# Altium PCB FPV0-3.PcbDoc (part 5 of 6)
Units mm, origin at the board's own origin, x right, y up, seen from the top; angles counter-clockwise.
Board outline 81.28 x 53.34 mm, 4 copper layers (Top Layer, GND Plane 1, 3v3 Plane 2, Bottom Layer); 180 components, 250 nets, 840 pads, 218 vias.
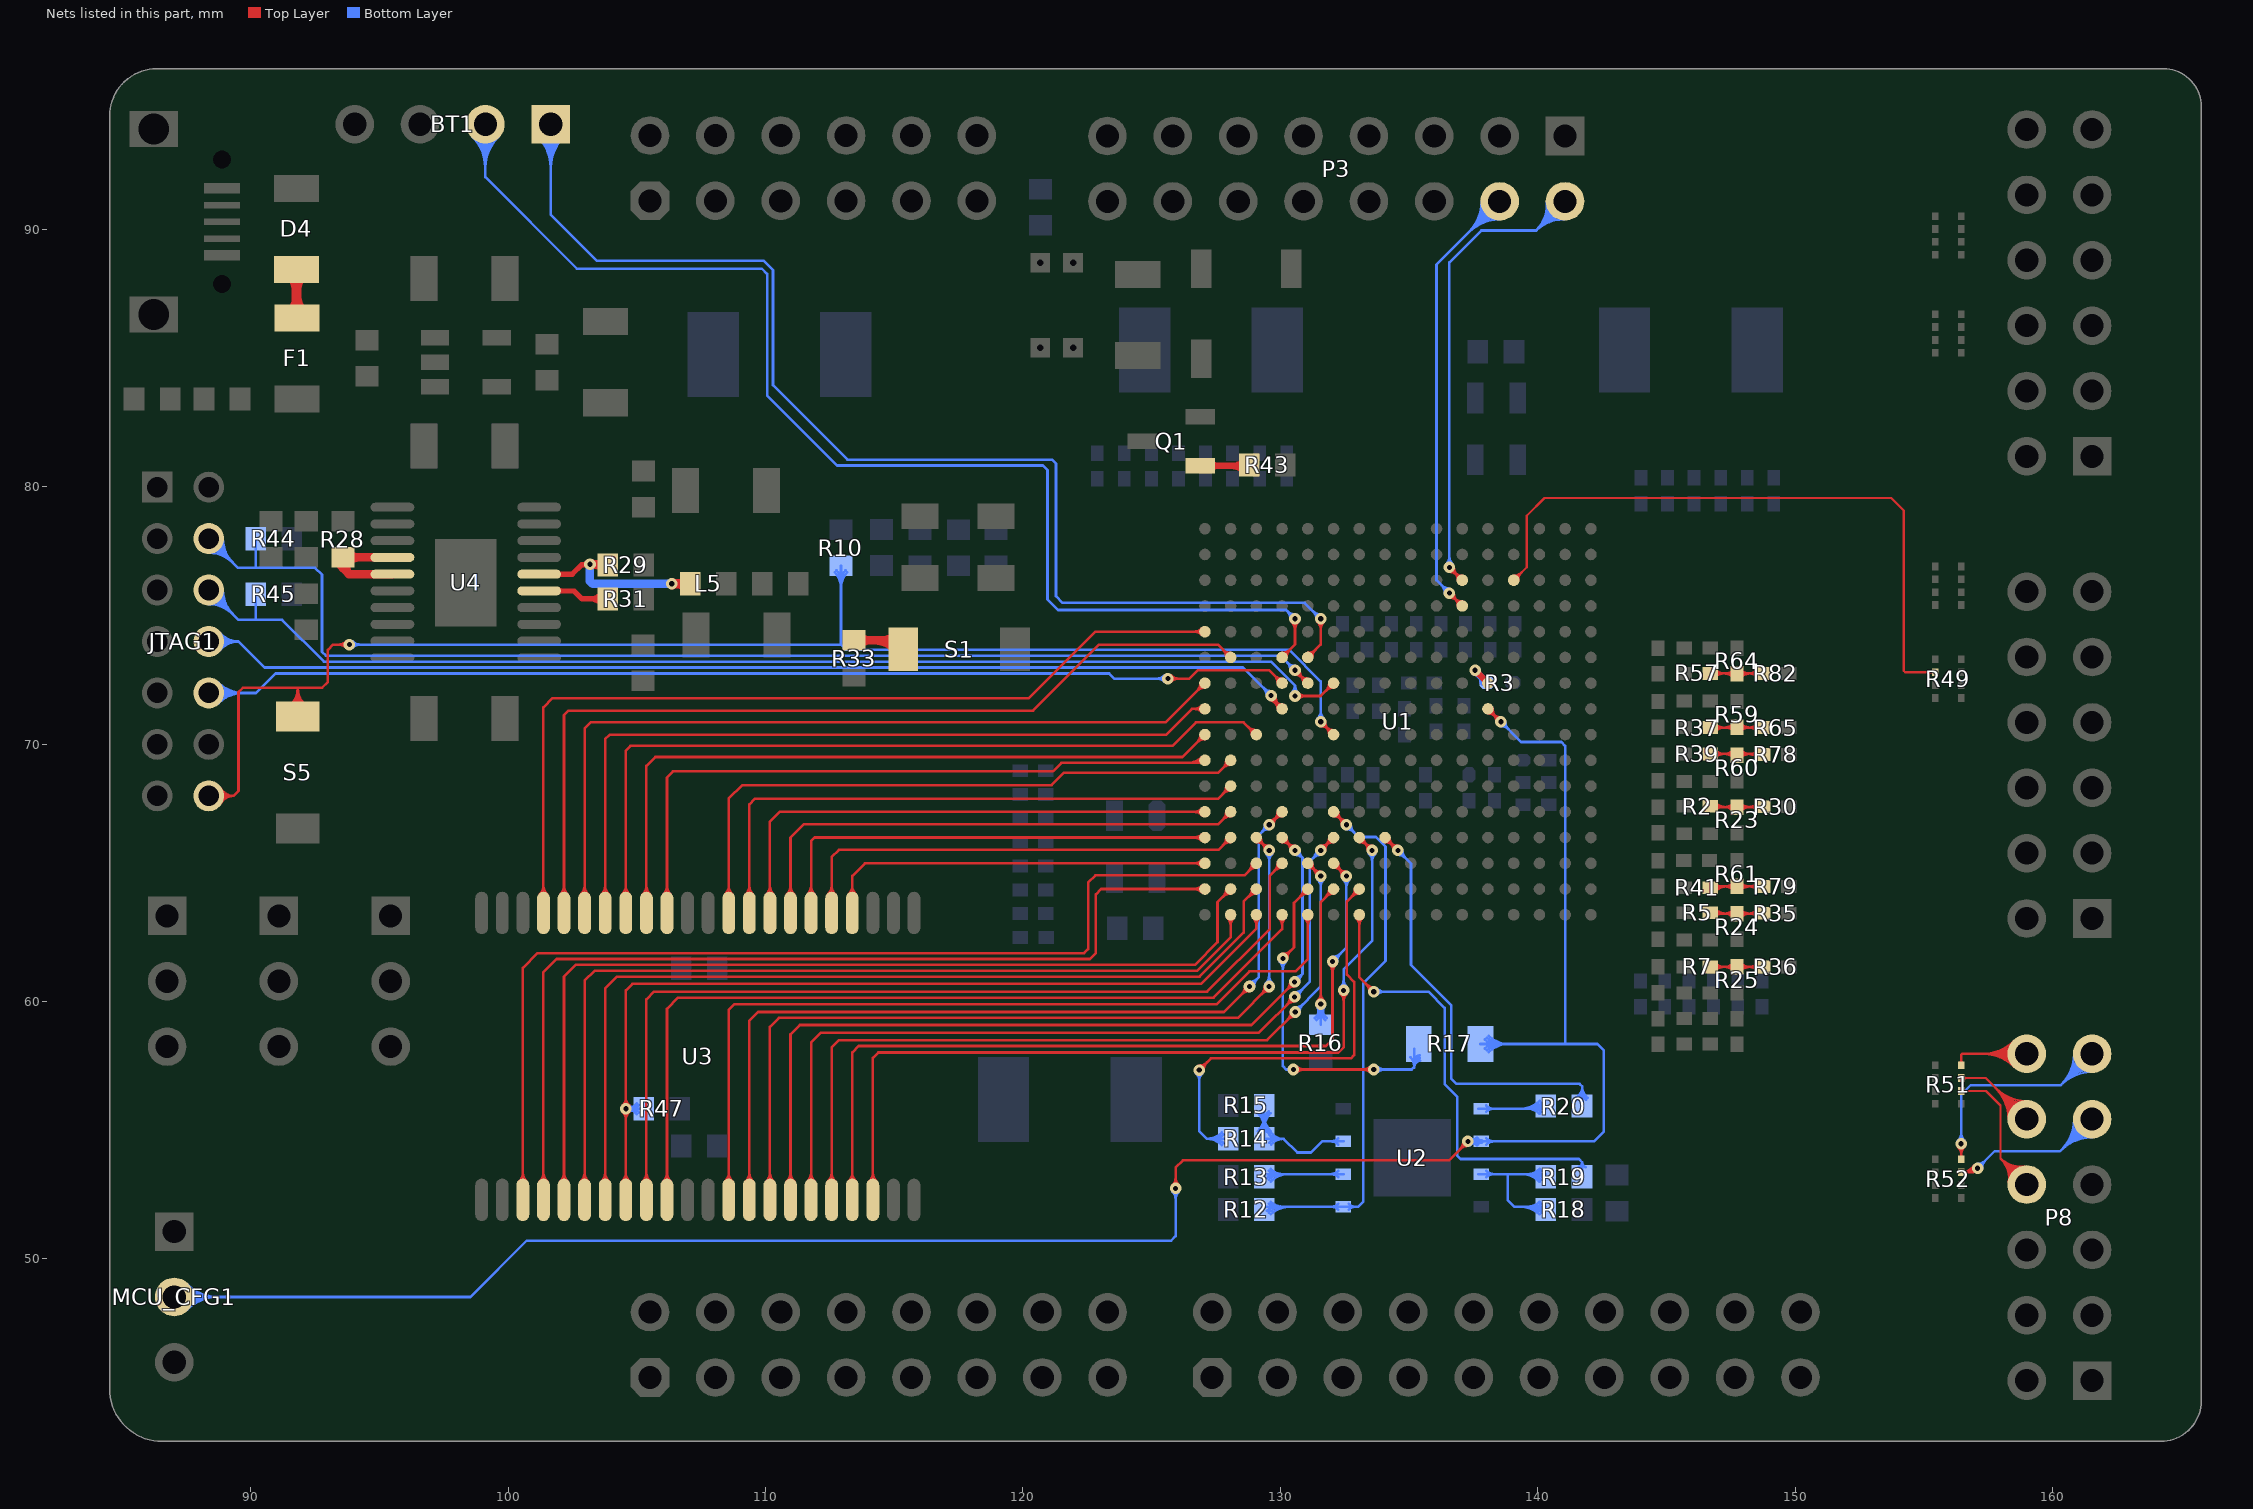
[diagram p7: the nets of this part, all layers, seen from the top]

## Via types
v1: diameter 0.45, hole 0.2, Top Layer to Bottom Layer, tented both sides, 151 vias
v2: diameter 0.55, hole 0.3, Top Layer to Bottom Layer, tented both sides, 55 vias
v3: diameter 0.45, hole 0.2, Top Layer to Bottom Layer, 6 vias
v4: diameter 0.666, hole 0.4, Top Layer to Bottom Layer, tented both sides, 4 vias
v5: diameter 0.55, hole 0.23, Top Layer to Bottom Layer, tented both sides, 1 vias
v6: diameter 0.513, hole 0.3, Top Layer to Bottom Layer, tented both sides, 1 vias

## Nets (pads, with @x,y where several pads share a name; then routed paths per layer and width w, separated by ;. In a path a pad name is that pad's centre, name@x,y a point inside that pad or via, vN(x,y) a via of type N, cw(c..) or ccw(c..) an arc to the next point about the centre after c; other vN are vias at no path point) (continued)
NetP8_8: P8.8 R51.3 | length 12.1
  Top Layer w0.089: R51.3@156.456,56.519 157.425,56.519 157.988,55.956 157.988,53.899 ; R51.3@156.513,56.462 cw(c156.65,56.325) 156.65,56.519 cw(c156.65,56.713) R51.3@156.513,56.576 ; P8.8@158.304,52.973 ccw(c157.203,53.114) 157.988,53.899 ; P8.8@158.392,52.961 ccw(c157.43,53.085) 158.116,53.771 ccw(c158.802,54.457) P8.8@158.926,53.494 ; P8.8@158.481,52.95 ccw(c157.657,53.056) 158.244,53.643 ccw(c158.831,54.23) P8.8@158.937,53.406 ; P8.8@158.569,52.939 ccw(c157.884,53.026) 158.372,53.515 ccw(c158.86,54.003) P8.8@158.948,53.318 ; P8.8@158.914,53.583 cw(c158.773,54.684) 157.988,53.899 ; P8.8@159.004,52.883 157.988,53.899
NetP8_9: P8.9 R52.5 | length 18.3
  Top Layer w0.089: R52.5@156.513,53.304 cw(c156.65,53.167) 156.65,53.361 cw(c156.65,53.556) R52.5@156.513,53.418 ; 156.625,53.361 ccw(c156.625,53.84) v1@157.019,53.57 ; 156.793,53.361 ccw(c156.793,53.724) v1@157.093,53.519 ; v1@156.946,53.62 cw(c156.456,53.955) R52.5@156.456,53.361 156.939,53.361 v1(157.095,53.518)
  Bottom Layer w0.089: v1(157.095,53.518) 157.755,54.178 160.299,54.178 P8.9@161.544,55.423 ; v1@157.095,53.698 ccw(c157.095,54.134) 157.403,53.826 ccw(c157.711,53.518) v1@157.276,53.518 ; P8.9@160.838,55.423 cw(c159.135,55.423) 160.34,54.218 cw(c161.544,53.014) P8.9@161.544,54.717 ; P8.9@160.927,55.423 cw(c159.439,55.423) 160.491,54.37 cw(c161.544,53.317) P8.9@161.544,54.806 ; P8.9@161.016,55.423 cw(c159.742,55.423) 160.643,54.522 cw(c161.544,53.621) P8.9@161.544,54.895 ; P8.9@161.105,55.423 cw(c160.046,55.423) 160.795,54.674 cw(c161.544,53.924) P8.9@161.544,54.984 ; P8.9@161.194,55.423 cw(c160.349,55.423) 160.947,54.825 cw(c161.544,54.228) P8.9@161.544,55.073
NetP8_10: P8.10 R51.5 | length 13.5
  Top Layer w0.089: R51.5@156.456,57.019 157.408,57.019 P8.10@159.004,55.423 ; R51.5@156.513,56.962 cw(c156.65,56.825) 156.65,57.019 cw(c156.65,57.213) R51.5@156.513,57.076 ; P8.10@158.298,55.423 ccw(c156.595,55.423) 157.8,56.627 ccw(c159.004,57.832) P8.10@159.004,56.128 ; P8.10@158.387,55.423 ccw(c156.899,55.423) 157.951,56.475 ccw(c159.004,57.528) P8.10@159.004,56.039 ; P8.10@158.476,55.423 ccw(c157.202,55.423) 158.103,56.324 ccw(c159.004,57.225) P8.10@159.004,55.951 ; P8.10@158.565,55.423 ccw(c157.506,55.423) 158.255,56.172 ccw(c159.004,56.921) P8.10@159.004,55.862 ; P8.10@158.654,55.423 ccw(c157.809,55.423) 158.407,56.02 ccw(c159.004,56.618) P8.10@159.004,55.773
NetP8_11: P8.11 R52.7 | length 19.9
  Top Layer w0.089: v1@156.328,54.338 cw(c156.02,54.03) 156.456,54.03 cw(c156.892,54.03) v1@156.584,54.338 ; R52.7@156.399,53.943 ccw(c156.262,54.081) 156.456,54.081 ccw(c156.65,54.081) R52.7@156.513,53.943 ; R52.7@156.456,53.861 v1(156.456,54.466)
  Bottom Layer w0.089: v1@156.328,54.593 ccw(c156.02,54.901) 156.456,54.901 ccw(c156.892,54.901) v1@156.584,54.593 ; v1(156.456,54.466) 156.456,56.38 156.82,56.744 160.325,56.744 P8.11@161.544,57.963 ; P8.11@160.838,57.963 cw(c159.135,57.963) 160.34,56.758 cw(c161.544,55.554) P8.11@161.544,57.257 ; P8.11@160.927,57.963 cw(c159.439,57.963) 160.491,56.91 cw(c161.544,55.857) P8.11@161.544,57.346 ; P8.11@161.016,57.963 cw(c159.742,57.963) 160.643,57.062 cw(c161.544,56.161) P8.11@161.544,57.435 ; P8.11@161.105,57.963 cw(c160.046,57.963) 160.795,57.214 cw(c161.544,56.464) P8.11@161.544,57.524 ; P8.11@161.194,57.963 cw(c160.349,57.963) 160.947,57.365 cw(c161.544,56.768) P8.11@161.544,57.613
NetP8_12: P8.12 R51.7 | length 13.3
  Top Layer w0.089: R51.7@156.399,57.601 ccw(c156.262,57.738) 156.456,57.738 ccw(c156.65,57.738) R51.7@156.513,57.601 ; R51.7@156.456,57.519 156.456,57.929 156.489,57.963 P8.12@159.004,57.963 ; P8.12@158.505,57.464 ccw(c157.301,56.259) 157.301,57.963 ccw(c157.301,59.666) P8.12@158.505,58.462 ; P8.12@158.568,57.527 ccw(c157.515,56.474) 157.515,57.963 ccw(c157.515,59.452) P8.12@158.568,58.399 ; P8.12@158.631,57.59 ccw(c157.73,56.689) 157.73,57.963 ccw(c157.73,59.237) P8.12@158.631,58.336 ; P8.12@158.694,57.652 ccw(c157.945,56.903) 157.945,57.963 ccw(c157.945,59.022) P8.12@158.694,58.273 ; P8.12@158.757,57.715 ccw(c158.159,57.118) 158.159,57.963 ccw(c158.159,58.808) P8.12@158.757,58.21
NetQ1_2: Q1.3 R43.1 | length 3.6
  Top Layer w0.254: Q1.3@126.88,80.813 R43.1@128.754,80.813 ; Q1.3@127.278,80.69 cw(c127.573,80.395) 127.573,80.813 cw(c127.573,81.23) Q1.3@127.278,80.935 ; 128.095,80.813 cw(c128.095,80.104) R43.1@128.596,80.605 ; 128.165,80.813 ccw(c128.165,81.423) R43.1@128.596,80.991
NetR2_2: R2.2 R23.2 R30.2 | length 5.5
  Top Layer w0.102: R2.2@146.736,67.548 R23.2@147.752,67.548 R30.2@148.75,67.548 ; R2.2@146.821,67.65 ccw(c147.069,67.898) 147.069,67.548 ; R2.2@146.893,67.441 cw(c147.153,67.181) 147.153,67.548 ; R2.2@146.893,67.722 ccw(c147.314,68.143) 147.314,67.548 ; R23.2@147.611,67.407 ccw(c147.271,67.067) 147.271,67.548 ccw(c147.271,68.029) R23.2@147.611,67.689 ; R23.2@147.893,67.407 cw(c148.233,67.067) 148.233,67.548 cw(c148.233,68.029) R23.2@147.893,67.689 ; 148.181,67.548 ccw(c148.181,68.084) R30.2@148.56,67.705 ; 148.258,67.548 cw(c148.258,67.122) R30.2@148.56,67.423 ; 148.426,67.548 ccw(c148.426,67.838) R30.2@148.631,67.633
NetR3_2: R3.2 U1.E7 | length 3
  Top Layer w0.254: v1@137.569,72.768 cw(c137.569,72.531) 137.736,72.699 cw(c137.904,72.866) v1@137.667,72.866 ; v1(137.569,72.866) U1.E7@138.069,72.366 ; U1.E7@137.971,72.366 ccw(c137.735,72.366) 137.902,72.533 ccw(c138.069,72.701) U1.E7@138.069,72.464
  Bottom Layer w0.254: v1@137.544,72.771 cw(c137.434,72.363) R3.2@137.8,72.574 ; v1(137.569,72.866) 137.569,72.853 R3.2@138.032,72.39 ; v1@137.667,72.866 ccw(c137.936,72.866) 137.746,72.676 ; 137.736,72.685 cw(c137.441,72.39) R3.2@137.859,72.39
NetR5_2: R5.2 R24.2 R35.2 | length 5.5
  Top Layer w0.102: R5.2@146.739,63.409 R24.2@147.752,63.409 R35.2@148.75,63.409 ; R5.2@146.821,63.515 ccw(c147.077,63.771) 147.077,63.409 ; R5.2@146.893,63.305 cw(c147.145,63.054) 147.145,63.409 ; R5.2@146.893,63.587 ccw(c147.322,64.016) 147.322,63.409 ; R24.2@147.611,63.269 ccw(c147.271,62.929) 147.271,63.409 ccw(c147.271,63.89) R24.2@147.611,63.55 ; R24.2@147.893,63.269 cw(c148.233,62.929) 148.233,63.409 cw(c148.233,63.89) R24.2@147.893,63.55 ; 148.185,63.409 ccw(c148.185,63.939) R35.2@148.56,63.565 ; 148.254,63.409 cw(c148.254,62.978) R35.2@148.56,63.283 ; 148.43,63.409 ccw(c148.43,63.694) R35.2@148.631,63.493
NetR7_2: R7.2 R25.2 R36.2 | length 5.1
  Top Layer w0.102: R7.2@146.702,61.341 R25.2@147.752,61.341 R36.2@148.742,61.341 ; R7.2@146.893,61.2 cw(c147.233,60.86) 147.233,61.341 cw(c147.233,61.822) R7.2@146.893,61.482 ; R25.2@147.611,61.2 ccw(c147.271,60.86) 147.271,61.341 ccw(c147.271,61.822) R25.2@147.611,61.482 ; R25.2@147.893,61.2 cw(c148.233,60.86) 148.233,61.341 cw(c148.233,61.822) R25.2@147.893,61.482 ; R36.2@148.56,61.2 ccw(c148.219,60.86) 148.219,61.341 ccw(c148.219,61.822) R36.2@148.56,61.482
NetR13_1: R13.1 U2.2 | length 6.4
  Bottom Layer w0.102: R13.1@129.376,53.289 U2.2@132.453,53.289 ; R13.1@129.48,53.134 cw(c129.853,52.761) 129.853,53.289 ; R13.1@129.551,53.063 cw(c130.099,52.515) 130.099,53.289 ; R13.1@129.551,53.413 ccw(c129.85,53.711) 129.85,53.289 ; R13.1@129.623,52.991 cw(c130.344,52.27) 130.344,53.289 ; R13.1@129.623,53.485 ccw(c130.095,53.956) 130.095,53.289 ; 131.957,53.289 cw(c131.957,52.869) U2.2@132.255,53.166 ; 131.957,53.289 ccw(c131.957,53.71) U2.2@132.255,53.412
NetR14_1: R14.1 R15.2 U2.3 | length 13.4
  Bottom Layer w0.102: R14.1@129.129,54.958 ccw(c128.533,55.554) 129.376,55.554 ccw(c130.219,55.554) R14.1@129.623,54.958 ; R15.2@129.129,55.659 cw(c128.533,55.063) 129.376,55.063 cw(c130.219,55.063) R15.2@129.623,55.659 ; R14.1@129.201,54.886 ccw(c128.779,55.309) 129.376,55.309 ; R15.2@129.201,55.731 cw(c128.779,55.308) 129.376,55.308 ; R14.1@129.228,55.027 ccw(c129.144,55.206) 129.337,55.247 ccw(c129.634,55.31) R14.1@129.514,55.032 ; R14.1@129.239,55.032 ccw(c129.119,55.31) 129.416,55.247 ccw(c129.609,55.206) R14.1@129.525,55.027 ; R14.1@129.271,54.935 ccw(c129.2,55.087) 129.364,55.122 ; R15.2@129.376,55.956 R14.1@129.376,54.661 130.124,54.661 ; 129.389,55.122 ccw(c129.553,55.087) R14.1@129.482,54.935 ; R14.1@129.551,54.886 cw(c129.974,55.309) 129.376,55.309 ; R15.2@129.551,55.731 ccw(c129.974,55.308) 129.376,55.308 ; R14.1@129.566,54.502 cw(c129.907,54.217) 129.907,54.661 cw(c129.907,55.105) R14.1@129.566,54.82 ; R14.1@129.644,54.437 cw(c130.124,54.035) 130.124,54.661 ; R14.1@129.644,54.885 ccw(c130.124,55.287) 130.124,54.661 ; U2.3@132.255,54.436 ccw(c131.957,54.139) 131.957,54.559 ccw(c131.957,54.98) U2.3@132.255,54.682 ; U2.3@132.453,54.559 131.623,54.559 131.191,54.127 130.658,54.127 130.124,54.661
NetR16_2: R16.2 U1.L15 | length 10.7
  Top Layer w0.102: v1@131.449,60.016 ccw(c131.151,60.314) 131.572,60.314 ccw(c131.993,60.314) v1@131.695,60.016 ; v1(131.572,59.893) 131.572,63.869 U1.L15@132.069,64.366 ; U1.L15@131.895,64.366 cw(c131.474,64.366) 131.772,64.069 cw(c132.069,63.771) U1.L15@132.069,64.192
  Bottom Layer w0.102: R16.2@131.335,59.351 ccw(c130.834,59.893) v1(131.572,59.893) ; R16.2@131.404,59.276 ccw(c131.048,59.661) 131.572,59.661 ccw(c132.096,59.661) R16.2@131.74,59.276 ; v1@131.428,59.796 cw(c131.152,59.61) 131.473,59.524 cw(c131.794,59.438) v1@131.648,59.737 ; v1@131.449,59.77 cw(c131.151,59.473) 131.572,59.473 cw(c131.993,59.473) v1@131.695,59.77 ; v1@131.496,59.737 cw(c131.35,59.438) 131.671,59.524 cw(c131.992,59.61) v1@131.716,59.796 ; R16.2@131.572,59.095 v1(131.572,59.893) ; R16.2@131.809,59.351 cw(c132.31,59.893) v1(131.572,59.893)
NetR17_2: R17.2 U1.M15 | length 19
  Top Layer w0.102: v1(130.099,61.671) 130.531,62.103 130.531,63.827 U1.M15@131.069,64.366 ; v1@130.099,61.845 ccw(c130.099,62.266) 130.396,61.969 ccw(c130.694,61.671) v1@130.273,61.671 ; v1(130.505,57.353) v1(133.629,57.353) ; v1@130.628,57.23 cw(c130.926,56.933) 130.926,57.353 cw(c130.926,57.774) v1@130.628,57.476 ; U1.M15@130.895,64.366 cw(c130.474,64.366) 130.772,64.069 cw(c131.069,63.771) U1.M15@131.069,64.192 ; v1@133.506,57.23 ccw(c133.209,56.933) 133.209,57.353 ccw(c133.209,57.774) v1@133.506,57.476
  Bottom Layer w0.102: v1@129.976,61.548 cw(c129.678,61.251) 130.099,61.251 cw(c130.519,61.251) v1@130.222,61.548 ; v1(130.099,61.671) 130.099,57.48 130.226,57.353 ; v1@130.349,57.277 ccw(c130.226,57.216) 130.226,57.353 ; v1@130.349,57.43 cw(c130.226,57.49) 130.226,57.353 ; v1(130.505,57.353) 130.226,57.353 ; v1(133.629,57.353) 135.103,57.353 135.198,57.449 R17.2@135.198,58.166 ; v1@133.753,57.23 cw(c134.05,56.933) 134.05,57.353 cw(c134.05,57.774) v1@133.753,57.476 ; R17.2@135.058,57.826 cw(c134.721,57.489) 135.198,57.489 ; 135.198,57.426 cw(c135.473,57.426) R17.2@135.436,57.699 ; 135.198,57.543 cw(c135.457,57.543) R17.2@135.422,57.799 ; R17.2@135.198,57.659 cw(c135.441,57.659) R17.2@135.409,57.9
NetR18_2: R18.2 R19.2 U2.7 | length 11.2
  Bottom Layer w0.102: U2.7@137.701,53.289 U2.7@137.803,53.289 138.836,53.289 ; U2.7@138.001,53.166 cw(c138.299,52.869) 138.299,53.289 cw(c138.299,53.71) U2.7@138.001,53.412 ; 139.353,52.019 cw(c139.353,51) R18.2@140.074,51.721 ; 139.353,53.289 cw(c139.353,52.27) R19.2@140.074,52.991 ; 139.598,52.019 cw(c139.598,51.245) R18.2@140.146,51.793 ; 139.598,53.289 cw(c139.598,52.515) R19.2@140.146,53.063 ; 139.602,52.019 ccw(c139.602,52.686) R18.2@140.074,52.215 ; 139.602,53.289 ccw(c139.602,53.956) R19.2@140.074,53.485 ; 139.844,52.019 cw(c139.844,51.491) R18.2@140.218,51.864 ; 139.844,53.289 cw(c139.844,52.761) R19.2@140.218,53.134 ; 139.848,52.019 ccw(c139.848,52.441) R18.2@140.146,52.143 ; 139.848,53.289 ccw(c139.848,53.711) R19.2@140.146,53.413 ; R18.2@140.321,52.019 139.09,52.019 138.836,52.273 138.836,53.289 ; R19.2@140.321,53.289 138.836,53.289
NetR20_2: R20.2 U2.5 | length 6
  Bottom Layer w0.102: U2.5@137.701,55.829 U2.5@137.803,55.829 R20.2@140.335,55.829 ; U2.5@138.001,55.706 cw(c138.299,55.409) 138.299,55.829 cw(c138.299,56.25) U2.5@138.001,55.952 ; 139.353,55.829 ccw(c139.353,56.848) R20.2@140.074,56.128 ; 139.598,55.829 ccw(c139.598,56.603) R20.2@140.146,56.056 ; 139.602,55.829 cw(c139.602,55.162) R20.2@140.074,55.634 ; 139.844,55.829 ccw(c139.844,56.358) R20.2@140.218,55.984 ; 139.848,55.829 cw(c139.848,55.408) R20.2@140.146,55.706
NetR28_1: R28.1 U4.4 U4.5 | length 6.8
  Top Layer w0.33: R28.1@93.452,77.052 cw(c93.32,76.835) 93.574,76.835 ; R28.1@93.553,77.317 ccw(c93.805,77.086) 93.564,76.845 ; R28.1@93.574,77.253 93.574,76.835 ; R28.1@93.575,77.251 U4.4@95.499,77.251 ; R28.1@93.696,77.052 ccw(c93.827,76.835) 93.574,76.835 ; R28.1@93.79,77.087 cw(c94.187,76.689) 94.187,77.251 ; R28.1@93.79,77.419 ccw(c94.194,77.823) 94.194,77.251 ; R28.1@93.797,77.094 ccw(c94.059,76.853) 93.807,76.601 ; U4.5@95.499,76.601 93.807,76.601 ; 93.574,76.835 93.807,76.601
NetR31_2: R31.2 U4.15 | length 4.2
  Top Layer w0.203: U4.15@101.199,75.951 102.56,75.951 102.87,75.641 R31.2@103.872,75.641 ; U4.15@101.926,75.899 cw(c102.051,75.774) 102.051,75.951 cw(c102.051,76.128) U4.15@101.926,76.003 ; R31.2@103.661,75.43 ccw(c103.151,74.921) 103.151,75.641 ccw(c103.151,76.362) R31.2@103.661,75.852
NetR33_2: R33.2 S1.2 | length 4
  Top Layer w0.33: R33.2@113.436,74.03 S1.2@114.997,74.03 ; R33.2@113.652,73.864 cw(c114.053,73.463) 114.053,74.03 cw(c114.053,74.597) R33.2@113.652,74.196 ; 114.184,74.03 cw(c114.184,72.803) S1.2@115.052,73.671 ; 114.519,74.03 ccw(c114.519,74.782) S1.2@115.052,74.25
NetR37_2: R37.2 R59.2 R65.2 | length 5.5
  Top Layer w0.102: R37.2@146.702,70.637 R65.2@148.75,70.637 ; R37.2@146.893,70.497 cw(c147.233,70.156) 147.233,70.637 cw(c147.233,71.118) R37.2@146.893,70.778 ; 147.236,70.637 ccw(c147.236,71.167) R59.2@147.611,70.793 ; 147.306,70.637 cw(c147.306,70.205) R59.2@147.611,70.511 ; 147.482,70.637 ccw(c147.482,70.922) R59.2@147.683,70.721 ; R59.2@147.821,70.721 ccw(c148.022,70.922) 148.022,70.637 ; R59.2@147.893,70.511 cw(c148.198,70.205) 148.198,70.637 ; R59.2@147.893,70.793 ccw(c148.267,71.167) 148.267,70.637 ; R65.2@148.56,70.497 ccw(c148.219,70.156) 148.219,70.637 ccw(c148.22,71.118) R65.2@148.56,70.778
NetR39_2: R39.2 R60.2 R78.2 | length 5.3
  Top Layer w0.102: R39.2@146.702,69.617 R78.2@148.75,69.617 ; R39.2@146.893,69.477 cw(c147.233,69.137) 147.233,69.617 cw(c147.233,70.098) R39.2@146.893,69.758 ; 147.263,69.617 ccw(c147.263,70.109) R60.2@147.611,69.761 ; 147.279,69.617 cw(c147.279,69.147) R60.2@147.611,69.48 ; R60.2@147.893,69.48 cw(c148.225,69.147) 148.225,69.617 ; R60.2@147.893,69.761 ccw(c148.24,70.109) 148.24,69.617 ; 148.168,69.617 cw(c148.168,69.063) R78.2@148.56,69.455 ; 148.271,69.617 ccw(c148.271,70.025) R78.2@148.56,69.737 ; 148.413,69.617 cw(c148.413,69.309) R78.2@148.631,69.527
NetR41_2: R41.2 R61.2 R79.2 | length 5.4
  Top Layer w0.102: R41.2@146.755,64.467 R61.2@147.752,64.467 R79.2@148.8,64.467 ; R41.2@146.821,64.345 cw(c147.115,64.052) 147.115,64.467 ; R41.2@146.893,64.274 cw(c147.36,63.807) 147.36,64.467 ; R41.2@146.893,64.555 ccw(c147.107,64.769) 147.107,64.467 ; R61.2@147.611,64.326 ccw(c147.271,63.986) 147.271,64.467 ccw(c147.271,64.948) R61.2@147.611,64.608 ; R61.2@147.893,64.326 cw(c148.233,63.986) 148.233,64.467 cw(c148.233,64.948) R61.2@147.893,64.608 ; 148.216,64.467 cw(c148.216,63.98) R79.2@148.56,64.324 ; 148.223,64.467 ccw(c148.223,64.942) R79.2@148.56,64.606
NetR57_2: R57.2 R64.2 R82.2 | length 5.5
  Top Layer w0.102: R57.2@146.702,72.746 R82.2@148.75,72.746 ; R57.2@146.893,72.605 cw(c147.233,72.265) 147.233,72.746 cw(c147.233,73.227) R57.2@146.893,72.886 ; 147.229,72.746 cw(c147.229,72.205) R64.2@147.611,72.587 ; 147.313,72.746 ccw(c147.313,73.167) R64.2@147.611,72.869 ; 147.474,72.746 cw(c147.474,72.451) R64.2@147.683,72.659 ; R64.2@147.821,72.659 cw(c148.029,72.451) 148.029,72.746 ; R64.2@147.893,72.587 cw(c148.275,72.205) 148.275,72.746 ; R64.2@147.893,72.869 ccw(c148.191,73.167) 148.191,72.746 ; R82.2@148.56,72.605 ccw(c148.219,72.265) 148.219,72.746 ccw(c148.22,73.226) R82.2@148.56,72.886
P_GOOD: L5.1 R29.2 U4.16 | length 12
  Top Layer w0.203: U4.16@101.199,76.601 102.484,76.601 102.845,76.962 ; U4.16@101.926,76.549 cw(c102.051,76.424) 102.051,76.601 cw(c102.051,76.778) U4.16@101.926,76.653 ; 102.938,76.962 cw(c102.938,76.751) v1@103.088,76.9 ; v1@103.082,77.069 cw(c102.845,77.279) 102.845,76.962 ; v1@103.236,76.881 cw(c103.333,76.713) 103.383,76.9 ; v1@103.244,77.09 ccw(c103.406,77.33) R29.2@103.481,77.05 ; v1@103.262,76.9 cw(c103.411,76.751) 103.411,76.962 ; v1@103.262,77.075 ccw(c103.534,77.347) R29.2@103.534,76.962 ; v1@103.282,76.926 cw(c103.485,76.808) 103.424,77.035 ; v1@103.282,77.049 ccw(c103.63,77.25) R29.2@103.526,76.862 ; R29.2@103.661,76.751 ccw(c103.151,76.242) 103.151,76.962 ccw(c103.151,77.682) R29.2@103.661,77.173 ; R29.2@103.872,76.962 102.845,76.962
  Top Layer w0.33: v1(106.35,76.225) L5.1@107.072,76.225 ; v1@106.38,76.174 cw(c106.521,75.929) 106.594,76.202 ; v1@106.38,76.277 ccw(c106.521,76.521) 106.594,76.249 ; L5.1@106.906,76.059 ccw(c106.505,75.658) 106.505,76.225 ccw(c106.505,76.792) L5.1@106.906,76.392
  Bottom Layer w0.33: v1(103.175,76.987) 103.175,76.327 103.276,76.225 v1(106.35,76.225)
PROG: JTAG1.14 R10.1 S5.2 U1.L9 | length 67.9
  Top Layer w0.102: JTAG1.14@88.36,67.985 89.321,67.985 ; JTAG1.14@88.658,67.809 cw(c88.965,67.628) 88.965,67.985 cw(c88.965,68.341) JTAG1.14@88.658,68.16 ; JTAG1.14@88.746,67.758 cw(c89.143,67.524) 89.143,67.985 cw(c89.143,68.445) JTAG1.14@88.746,68.212 ; JTAG1.14@88.833,67.706 cw(c89.321,67.419) 89.321,67.985 ; JTAG1.14@88.833,68.263 ccw(c89.321,68.55) 89.321,67.985 ; S5.2@91.493,71.478 ccw(c90.945,72.161) 91.821,72.161 ; S5.2@91.557,71.399 ccw(c91.115,71.95) 91.821,71.95 ccw(c92.527,71.95) S5.2@92.085,71.399 ; S5.2@91.62,71.32 ccw(c91.285,71.738) 91.821,71.738 ccw(c92.357,71.738) S5.2@92.022,71.32 ; S5.2@91.821,71.069 91.821,72.161 ; S5.2@92.149,71.478 cw(c92.697,72.161) 91.821,72.161 ; v1@93.704,73.74 ccw(c93.407,73.443) 93.407,73.863 ccw(c93.407,74.284) v1@93.704,73.986 ; v1(93.828,73.863) 93.193,73.863 92.989,73.66 92.989,72.415 92.761,72.187 89.687,72.187 89.517,72.017 89.517,68.181 89.321,67.985 ; v1@131.569,70.691 cw(c131.569,70.271) 131.866,70.568 cw(c132.164,70.866) v1@131.743,70.866 ; v1(131.569,70.866) U1.L9@132.068,70.366 ; 131.77,70.664 ccw(c132.069,70.963) U1.L9@132.069,70.54 ; 131.772,70.662 cw(c131.476,70.366) U1.L9@131.895,70.366
  Bottom Layer w0.102: v1(93.828,73.863) 112.928,73.863 ; v1@93.951,73.74 cw(c94.248,73.443) 94.248,73.863 cw(c94.248,74.284) v1@93.951,73.986 ; R10.1@112.681,76.675 cw(c112.085,76.079) 112.928,76.079 cw(c113.771,76.079) R10.1@113.175,76.675 ; R10.1@112.753,76.747 cw(c112.331,76.325) 112.928,76.325 cw(c113.526,76.325) R10.1@113.103,76.747 ; R10.1@112.928,76.922 112.928,73.863 ; v1@131.446,70.989 ccw(c131.148,71.286) 131.569,71.286 ccw(c131.989,71.286) v1@131.692,70.989 ; v1(131.569,70.866) 131.569,72.438 130.347,73.66 113.132,73.66 112.928,73.863
QEI_B1: R49.6 U1.D3 | length 26.3
  Top Layer w0.089: U1.D3@139.069,76.366 139.573,76.87 139.573,78.867 140.262,79.556 153.743,79.556 154.229,79.07 154.229,72.847 154.284,72.792 R49.6@155.456,72.792 ; U1.D3@139.069,76.547 ccw(c139.069,76.982) 139.377,76.674 ccw(c139.686,76.366) U1.D3@139.25,76.366 ; R49.6@155.399,72.735 ccw(c155.262,72.598) 155.262,72.792 ccw(c155.262,72.987) R49.6@155.399,72.849
QEI_B2: P3.4 U1.F4 | length 27.4
  Top Layer w0.102: v1@136.569,75.692 cw(c136.569,75.271) 136.867,75.568 cw(c137.163,75.866) v1@136.743,75.866 ; v1(136.569,75.866) U1.F4@137.069,75.366 ; U1.F4@136.895,75.366 ccw(c136.474,75.366) 136.772,75.663 ccw(c137.069,75.961) U1.F4@137.069,75.54
  Bottom Layer w0.102: v1@136.395,75.866 ccw(c135.974,75.866) 136.272,76.163 ccw(c136.569,76.461) v1@136.569,76.04 ; v1(136.569,75.866) 136.068,76.367 136.068,88.632 P3.4@138.522,91.086 ; P3.4@137.823,91.086 cw(c136.135,91.086) 137.328,89.892 cw(c138.522,88.698) P3.4@138.522,90.386 ; P3.4@137.924,91.086 cw(c136.481,91.086) 137.502,90.065 cw(c138.522,89.045) P3.4@138.522,90.488 ; P3.4@138.026,91.086 cw(c136.828,91.086) 137.675,90.239 cw(c138.522,89.392) P3.4@138.522,90.59 ; P3.4@138.127,91.086 cw(c137.175,91.086) 137.849,90.412 cw(c138.522,89.739) P3.4@138.522,90.691
QEI_B3: P3.2 U1.F3 | length 27.6
  Top Layer w0.102: v1@136.569,76.692 cw(c136.569,76.271) 136.867,76.568 ; v1(136.569,76.866) U1.F3@137.069,76.366 ; v1@136.743,76.866 ccw(c137.163,76.866) 136.866,76.569 ; U1.F3@136.895,76.366 ccw(c136.474,76.366) 136.772,76.663 ccw(c137.069,76.961) U1.F3@137.069,76.54